# Altium PCB ControllerBoardExp.PcbDoc (part 2 of 4) (continued)
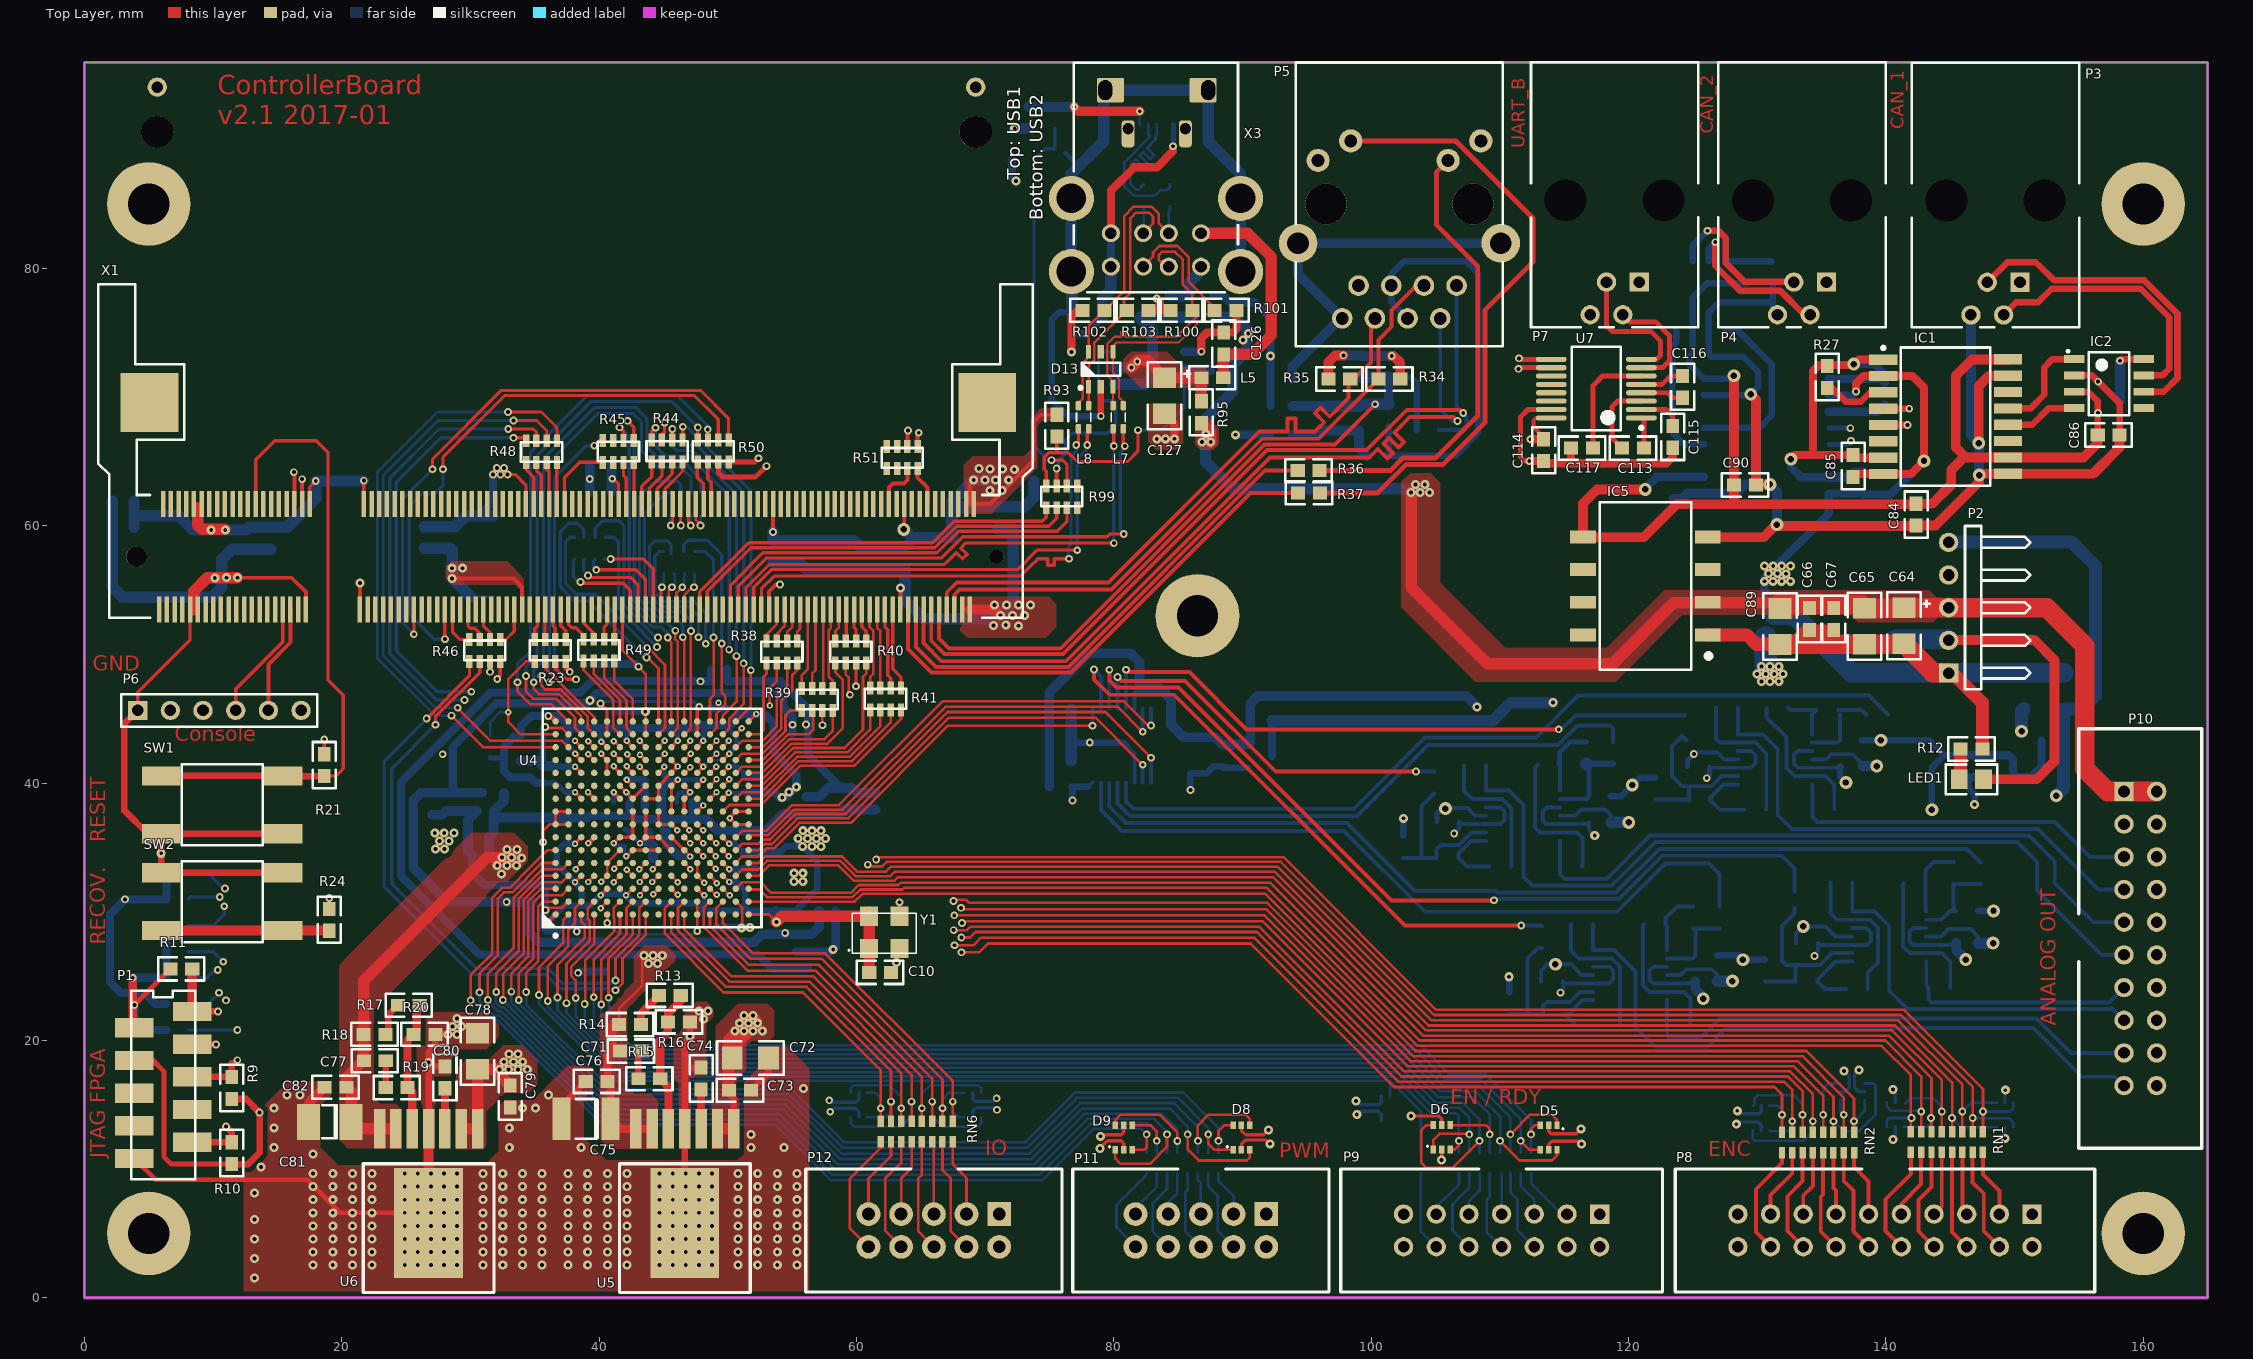
[diagram p0: Top Layer view]
## Nets (pads, with @x,y where several pads share a name; then routed paths per layer and width w, separated by ;. In a path a pad name is that pad's centre, name@x,y a point inside that pad or via, vN(x,y) a via of type N, cw(c..) or ccw(c..) an arc to the next point about the centre after c; other vN are vias at no path point) (continued)
  Bottom Layer w0.305: U1.13@80.943,45.794 v2(80.943,48.802) ; v2(114.579,44.171) 114.771,44.171 115.863,45.263 124.343,45.263 R67.1@124.379,45.298
DRV_AOUT.A3: R56.1 U1.5 | length 44.6
  Bottom Layer w0.305: U1.5@80.293,40.044 80.293,38.401 81.255,37.44 98.901,37.44 104.426,42.964 114.529,42.964 116.041,44.475 118.536,44.475 118.782,44.23 R56.1@118.782,43.184
DRV_AOUT.A4: R66.1 U1.12 | length 30.1
  Top Layer w0.305: v2(80.293,48.234) 80.584,47.942 85.534,47.942 92.583,40.894 v2(103.48,40.894)
  Bottom Layer w0.305: U1.12@80.293,45.794 v2(80.293,48.234) ; v2(103.48,40.894) 104.883,40.894 R66.1@104.893,40.885
DRV_AOUT.A5: R76.1 U1.6 | length 74.2
  Bottom Layer w0.305: U1.6@79.643,40.044 79.643,38.188 80.95,36.881 98.127,36.881 103.41,31.598 109.676,31.598 109.778,31.496 118.999,31.496 122.389,34.886 146.31,34.886 R76.1@147.357,33.839
DRV_AOUT.A6: R86.1 U1.11 | length 67.8
  Top Layer w0.305: v2(79.651,48.8) 79.651,47.984 80.213,47.422 85.039,47.422 101.575,30.886 v2(109.55,30.886)
  Bottom Layer w0.305: U1.11@79.643,45.794 79.643,48.791 v2(79.651,48.8) ; v2(109.55,30.886) 109.641,30.978 119.243,30.978 122.613,34.348 131.914,34.348 132.901,33.362 R86.1@132.901,31.572
DRV_AOUT.A7: R77.1 U1.7 | length 57.9
  Bottom Layer w0.305: U1.7@78.993,40.044 78.993,37.898 80.62,36.271 97.892,36.271 104.165,29.997 119.101,29.997 122.86,33.757 126.236,33.757 127.058,32.935 R77.1@127.058,30.408
DRV_AOUT.A8: R87.1 U1.10 | length 46.8
  Top Layer w0.305: v2(78.46,48.825) 78.46,48.057 79.654,46.863 84.684,46.863 102.616,28.931 v2(111.658,28.931)
  Bottom Layer w0.305: v2(78.46,48.825) 78.993,48.293 U1.10@78.993,45.794 ; v2(111.658,28.931) 113.255,28.931 R87.1@113.291,28.894
DRV_AOUT_H.AOUT_H_A1: P10.5 R55.2 U9.7 | length 28
  Bottom Layer w0.305: U9.7@134.268,39.886 134.282,39.872 R55.2@134.282,37.967 134.282,37.374 134.679,36.977 153.154,36.977 155.866,34.265 P10.5@158.5,34.265
DRV_AOUT_H.AOUT_H_A2: P10.7 R65.2 U9.14 | length 40
  Bottom Layer w0.305: R65.2@128.499,45.84 128.499,43.806 U9.14@128.518,43.786 130.44,43.786 131.593,42.633 131.593,37.526 132.696,36.424 151.83,36.424 156.529,31.725 P10.7@158.5,31.725
DRV_AOUT_H.AOUT_H_A3: P10.9 R54.2 U8.7 | length 51.8
  Bottom Layer w0.305: U8.7@114.674,35.511 114.674,33.505 R54.2@114.677,33.502 114.677,32.901 115.04,32.537 118.303,32.537 121.681,35.916 151.112,35.916 153.122,33.906 153.122,32.187 156.124,29.185 P10.9@158.5,29.185
DRV_AOUT_H.AOUT_H_A4: P10.11 R64.2 U8.14 | length 64.2
  Bottom Layer w0.305: R64.2@108.922,41.364 108.922,39.412 U8.14@108.924,39.411 110.718,39.411 111.85,38.279 111.85,32.704 112.524,32.029 118.694,32.029 122.097,35.432 150.182,35.432 151.733,33.881 151.733,31.657 156.745,26.645 P10.11@158.5,26.645
DRV_AOUT_H.AOUT_H_A5: P10.13 R74.2 U10.7 | length 18.8
  Bottom Layer w0.305: U10.7@143.135,26.129 143.135,24.251 R74.2@143.301,24.086 143.301,23.199 143.568,22.932 157.327,22.932 P10.13@158.5,24.105
DRV_AOUT_H.AOUT_H_A6: P10.15 R84.2 U10.14 | length 29.9
  Bottom Layer w0.305: R84.2@137.389,32.261 137.385,32.257 U10.14@137.385,30.029 139.099,30.029 140.258,28.869 140.258,23.858 141.67,22.446 157.47,22.446 157.544,22.52 P10.15@158.5,21.565
DRV_AOUT_H.AOUT_H_A7: P10.17 R75.2 U11.7 | length 40.1
  Bottom Layer w0.305: U11.7@122.998,23.125 122.998,21.17 R75.2@123.01,21.159 123.01,20.37 123.203,20.177 125.6,20.177 127.114,21.692 151.705,21.692 154.372,19.025 P10.17@158.5,19.025
DRV_AOUT_H.AOUT_H_A8: P10.19 R85.2 U11.14 | length 51.3
  Bottom Layer w0.305: R85.2@117.243,29.005 117.248,29 U11.14@117.248,27.025 118.864,27.025 120.54,25.349 120.54,21.025 122.058,19.507 126.136,19.507 127.584,20.955 151.46,20.955 155.242,17.174 157.811,17.174 P10.19@158.5,16.485
DRV_EXT_CON.ENABLE_DRV: P9.3 RN3.9 | length 4.6
  Bottom Layer w0.203: RN3.9@112.425,9.688 112.425,8.869 114.794,6.5 P9.3@115.214,6.5
DRV_EXT_CON.ENC_A1: P8.3 RN1.16 | length 5.3
  Top Layer w0.305: RN1.16@147.541,11.293 147.541,9.58 148.819,8.302 P8.3@148.819,6.5
DRV_EXT_CON.ENC_A2: P8.5 RN1.14 | length 4.9
  Top Layer w0.305: RN1.14@145.941,11.293 145.941,6.838 P8.5@146.279,6.5
DRV_EXT_CON.ENC_A3: P8.7 RN1.12 | length 5
  Top Layer w0.305: P8.7@143.739,6.5 144.341,7.102 RN1.12@144.341,11.293
DRV_EXT_CON.ENC_A4: P8.9 RN1.10 | length 5.4
  Top Layer w0.305: P8.9@141.199,6.5 141.199,7.293 142.741,8.835 RN1.10@142.741,11.293
DRV_EXT_CON.ENC_A5: P8.11 RN2.16 | length 5.2
  Top Layer w0.305: RN2.16@137.523,11.275 137.523,10.184 138.659,9.048 P8.11@138.659,6.5
DRV_EXT_CON.ENC_A6: P8.13 RN2.14 | length 4.9
  Top Layer w0.305: RN2.14@135.923,11.275 135.923,8.53 136.119,8.334 P8.13@136.119,6.5
DRV_EXT_CON.ENC_A7: P8.15 RN2.12 | length 5.1
  Top Layer w0.305: P8.15@133.579,6.5 133.579,7.95 134.323,8.694 RN2.12@134.323,11.275
DRV_EXT_CON.ENC_A8: P8.17 RN2.10 | length 5.5
  Top Layer w0.305: P8.17@131.039,6.5 131.039,7.976 132.723,9.66 RN2.10@132.723,11.275
DRV_EXT_CON.ENC_B1: P8.4 RN1.15 | length 8.2
  Top Layer w0.305: RN1.15@146.741,11.293 146.741,8.958 147.602,8.097 147.602,5.177 P8.4@148.819,3.96
DRV_EXT_CON.ENC_B2: P8.6 RN1.13 | length 7.8
  Top Layer w0.305: RN1.13@145.141,11.293 145.141,5.098 P8.6@146.279,3.96
DRV_EXT_CON.ENC_B3: P8.8 RN1.11 | length 8.3
  Top Layer w0.305: RN1.11@143.541,11.293 143.541,8.594 142.531,7.584 142.531,5.168 P8.8@143.739,3.96
DRV_EXT_CON.ENC_B4: P8.10 RN1.9 | length 8.7
  Top Layer w0.305: P8.10@141.199,3.96 139.965,5.193 139.965,7.657 141.941,9.633 RN1.9@141.941,11.293
DRV_EXT_CON.ENC_B5: P8.12 RN2.15 | length 8.1
  Top Layer w0.305: RN2.15@136.723,11.275 136.723,9.086 137.481,8.328 137.481,5.138 P8.12@138.659,3.96
DRV_EXT_CON.ENC_B6: P8.14 RN2.13 | length 7.9
  Top Layer w0.305: RN2.13@135.123,11.275 135.123,8.034 134.936,7.848 134.936,5.142 P8.14@136.119,3.96
DRV_EXT_CON.ENC_B7: P8.16 RN2.11 | length 8.3
  Top Layer w0.305: RN2.11@133.523,11.275 133.523,9.062 132.35,7.89 132.35,5.189 P8.16@133.579,3.96
DRV_EXT_CON.ENC_B8: P8.18 RN2.9 | length 8.6
  Top Layer w0.305: P8.18@131.039,3.96 129.889,5.11 129.889,8.432 131.923,10.466 RN2.9@131.923,11.275
DRV_EXT_CON.IO_1: P12.3 RN6.16 | length 6.1
  Top Layer w0.203: RN6.16@67.483,12.113 67.483,10.368 68.555,9.296 P12.3@68.555,6.5
DRV_EXT_CON.IO_2: P12.4 RN6.15 | length 8.9
  Top Layer w0.203: RN6.15@66.683,12.113 66.683,9.924 67.316,9.29 67.316,5.198 P12.4@68.555,3.96
DRV_EXT_CON.IO_3: P12.5 RN6.14 | length 5.7
  Top Layer w0.203: RN6.14@65.883,12.113 66.015,11.981 P12.5@66.015,6.5
DRV_EXT_CON.IO_4: P12.6 RN6.13 | length 8.8
  Top Layer w0.203: RN6.13@65.083,12.113 65.083,9.558 64.789,9.264 64.789,5.186 P12.6@66.015,3.96
DRV_EXT_CON.IO_5: P12.7 RN6.12 | length 5.9
  Top Layer w0.203: P12.7@63.475,6.5 63.475,9.271 64.283,10.079 RN6.12@64.283,12.113
DRV_EXT_CON.IO_6: P12.8 RN6.11 | length 9.2
  Top Layer w0.203: P12.8@63.475,3.96 62.224,5.21 62.224,9.265 63.483,10.524 RN6.11@63.483,12.113
DRV_EXT_CON.IO_7: P12.9 RN6.10 | length 6.3
  Top Layer w0.203: P12.9@60.935,6.5 60.935,9.271 62.683,11.019 RN6.10@62.683,12.113
DRV_EXT_CON.IO_8: P12.10 RN6.9 | length 9.8
  Top Layer w0.203: P12.10@60.935,3.96 59.472,5.423 59.472,9.231 61.883,11.641 RN6.9@61.883,12.113
DRV_EXT_CON.PWM_1: P11.3 RN5.9 | length 3.7
  Bottom Layer w0.203: RN5.9@88.135,9.673 88.135,9.09 89.306,7.919 P11.3@89.306,6.5
DRV_EXT_CON.PWM_2: P11.4 RN5.10 | length 6.5
  Bottom Layer w0.203: RN5.10@87.335,9.673 87.335,8.667 88.087,7.916 88.087,5.18 P11.4@89.306,3.96
DRV_EXT_CON.PWM_3: P11.5 RN5.11 | length 3.3
  Bottom Layer w0.203: RN5.11@86.535,9.673 86.535,9.166 86.766,8.935 P11.5@86.766,6.5
DRV_EXT_CON.PWM_4: P11.6 RN5.12 | length 6.3
  Bottom Layer w0.203: RN5.12@85.735,9.673 85.735,8.372 85.548,8.185 85.548,5.179 P11.6@86.766,3.96
DRV_EXT_CON.PWM_5: P11.7 RN5.13 | length 3.5
  Bottom Layer w0.203: P11.7@84.226,6.5 84.226,7.394 84.935,8.103 RN5.13@84.935,9.673
DRV_EXT_CON.PWM_6: P11.8 RN5.14 | length 6.7
  Bottom Layer w0.203: RN5.14@84.135,9.673 84.135,8.434 83.013,7.311 83.013,5.174 P11.8@84.226,3.96
DRV_EXT_CON.PWM_7: P11.9 RN5.15 | length 3.9
  Bottom Layer w0.203: P11.9@81.686,6.5 81.686,6.961 83.335,8.61 RN5.15@83.335,9.673
DRV_EXT_CON.PWM_8: P11.10 RN5.16 | length 7.3
  Bottom Layer w0.203: P11.10@81.686,3.96 80.204,5.443 80.204,7.225 82.535,9.557 RN5.16@82.535,9.673
DRV_EXT_CON.READY_DRV_1: P9.5 RN3.10 | length 3.6
  Bottom Layer w0.203: RN3.10@111.625,9.688 111.625,8.665 112.674,7.616 P9.5@112.674,6.5
DRV_EXT_CON.READY_DRV_2: P9.6 RN3.11 | length 6.5
  Bottom Layer w0.203: RN3.11@110.825,9.688 110.825,8.188 111.366,7.648 111.366,5.268 P9.6@112.674,3.96
DRV_EXT_CON.READY_DRV_3: P9.7 RN3.12 | length 3.2
  Bottom Layer w0.203: P9.7@110.134,6.5 RN3.12@110.134,9.688
DRV_EXT_CON.READY_DRV_4: P9.8 RN3.13 | length 6.3
  Bottom Layer w0.203: RN3.13@109.225,9.688 109.225,7.853 108.969,7.596 108.969,5.126 P9.8@110.134,3.96
DRV_EXT_CON.READY_DRV_5: P9.9 RN3.14 | length 3.5
  Bottom Layer w0.203: P9.9@107.594,6.5 107.594,7.507 108.425,8.338 RN3.14@108.425,9.688
DRV_EXT_CON.READY_DRV_6: P9.10 RN3.15 | length 6.8
  Bottom Layer w0.203: P9.10@107.594,3.96 106.321,5.234 106.321,7.259 107.625,8.563 RN3.15@107.625,9.688
DRV_EXT_CON.READY_DRV_7: P9.11 RN3.16 | length 3.9
  Bottom Layer w0.203: P9.11@105.054,6.5 105.054,7.049 106.825,8.82 RN3.16@106.825,9.688
DRV_EXT_CON.READY_DRV_8: P9.12 RN4.9 | length 6.2
  Bottom Layer w0.203: RN4.9@103.874,9.669 103.86,9.655 103.86,5.154 P9.12@105.054,3.96
ETH_AGND: C91.1 C92.1 C93.1 C94.1 C95.1 L4.2 X1.191 | length 56.1
  Top Layer w0.305: X1.191@66.414,53.482 66.414,51.232 67.177,50.47 75.874,50.47 91.717,66.313 97.186,66.313 v2(100.307,69.433)
  Bottom Layer w0.762: L4.2@93.87,69.3 C95.1@96.28,69.3 ; C94.1@99.054,69.295 C94.1@99.186,69.427 ; C93.1@101.365,69.427 C91.1@101.365,71.535
  Bottom Layer w0.889: C95.1@96.28,69.3 96.285,69.295 C94.1@99.054,69.295 ; C94.1@99.186,69.427 C93.1@101.365,69.427 ; C92.1@99.206,71.535 C91.1@101.365,71.535
ETH_AVCC: C94.2 C95.2 L3.2 R31.1 | length 7.5
  Bottom Layer w0.762: L3.2@93.87,67.065 95.955,67.065 96.285,67.395 C94.2@99.054,67.395 99.054,66.033 R31.1@99.661,65.425
ETH_CT_RX: C93.2 P5.4 P5.5 R31.2 | length 33.9
  Bottom Layer w0.508: C93.2@101.365,67.727 101.365,65.429 R31.2@101.361,65.425 106.526,65.425 108.314,67.213 108.314,79.584 107.357,80.541 102.552,80.541 101.559,79.548 P5.5@101.559,78.652 101.559,77.382 P5.4@102.829,76.112
ETH_LED_ACT: P5.11 R37.2 | length 49.2
  Top Layer w0.381: R37.2@96.023,62.554 100.501,62.554 102.692,64.745 105.57,64.745 108.832,68.006 108.832,76.751 112.583,80.502 112.583,83.867 106.548,89.902 P5.11@98.409,89.902
ETH_LED_LINK: P5.10 R36.2 | length 35.6
  Top Layer w0.381: R36.2@95.987,64.278 101.489,64.278 102.476,65.265 105.01,65.265 108.284,68.539 108.284,80.158 105.066,83.376 105.066,87.468 P5.10@105.979,88.382
ETH_LINK_ACT: R37.1 X1.183 | length 39.9
  Top Layer w0.305: X1.183@64.014,53.482 64.014,50.406 65.843,48.578 76.658,48.578 90.634,62.554 R37.1@94.323,62.554
ETH_RX1_N: P5.6 R35.1 X1.193 | length 50.1
  Top Layer w0.305: X1.193@67.014,53.482 67.014,54.824 67.791,55.601 79.586,55.601 91.302,67.316 92.558,67.316 93.496,67.316 93.496,68.333 94.105,68.333 94.105,67.316 94.715,67.316 95.324,67.316 95.629,67.316 95.918,67.605 96.349,68.036 95.63,68.755 96.061,69.186 96.78,68.467 97.211,68.898 97.427,69.113 98.222,69.908 98.222,71.247 R35.1@98.374,71.399 98.675,71.399 99.97,72.694 99.97,75.792 P5.6@100.289,76.112
ETH_RX1_P: P5.3 R34.2 X1.195 | length 50.1
  Top Layer w0.305: X1.195@67.614,53.482 67.614,54.634 68.022,55.042 79.818,55.042 91.533,66.757 95.918,66.757 R34.2@100.56,71.399 100.56,74.445 101.573,75.457 101.573,76.709 103.515,78.652 P5.3@104.099,78.652
ETH_SPEED: R36.1 X1.185 | length 39.5
  Top Layer w0.305: X1.185@64.614,53.482 64.614,50.585 66.177,49.022 76.474,49.022 91.73,64.278 R36.1@94.287,64.278
ETH_TX0_N: P5.2 R33.1 X1.187 | length 65.7
  Top Layer w0.305: X1.187@65.214,53.482 65.214,50.87 66.618,49.466 76.29,49.466 92.133,65.309 99.866,65.309 100.082,65.525 100.513,65.956 101.264,65.205 101.695,65.636 100.944,66.387 101.375,66.818 102.126,66.067 102.557,66.498 101.806,67.249 102.994,68.437 106.4,68.437 v2(106.7,68.138)
  Bottom Layer w0.305: P5.2@105.369,76.112 105.369,69.056 106.287,68.138 v2(106.7,68.138)
ETH_TX0_P: P5.1 R32.2 X1.189 | length 65.7
  Top Layer w0.305: X1.189@65.814,53.482 65.814,51.061 66.85,50.025 76.058,50.025 91.901,65.868 99.635,65.868 102.763,68.996 106.91,68.996 v2(107.156,68.75)
  Bottom Layer w0.305: R32.2@105.25,67.421 107.094,67.421 107.406,67.733 107.406,68.431 107.156,68.681 v2(107.156,68.75) 106.639,69.266 P5.1@106.639,78.652
FPGA_CONFIG_SOM.CONF_DONE: R2.1 R46.1C U4.H14 | length 49.7
  Top Layer w0.203: v3(43.155,43.282) 43.133,43.282 43.129,43.278 U4.H14@43.62,42.787
  Top Layer w0.254: v2(31.521,48.641) R46.1C@31.521,49.454
  Mid-Layer 1 w0.254: v2(10.922,31.801) 16.281,31.801 31.514,47.033 31.514,48.633 v2(31.521,48.641)
  Mid-Layer 2 w0.203: v2(31.521,48.641) 32.131,49.251 40.386,49.251 41.783,47.854 41.783,44.577 43.129,43.231 43.155,43.256 v3(43.155,43.282)
  Bottom Layer w0.254: R2.1@8.077,32.995 9.627,32.995 10.82,31.801 v2(10.922,31.801)
FPGA_CONFIG_SOM.DATA0: R46.1B U4.H2 | length 47.9
  Top Layer w0.203: v2(41.275,24.663) 41.275,26.365 43.12,28.21 43.12,30.287 U4.H2@43.62,30.787
  Top Layer w0.254: v2(27.28,44.526) 27.28,45.136 30.721,48.577 R46.1B@30.721,49.454
  Bottom Layer w0.254: v2(27.28,44.526) 23.876,41.123 23.876,32.182 30.465,25.592 35.998,25.592 37.146,24.444 40.999,24.444 41.218,24.663 v2(41.275,24.663)
FPGA_CONFIG_SOM.DCLK: R46.1A U4.H1 | length 48.4
  Top Layer w0.203: v2(41.275,23.901) 41.279,23.901 41.816,24.439 41.816,26.373 43.62,28.177 U4.H1@43.62,29.787
  Top Layer w0.254: v2(26.596,45.009) 29.921,48.334 R46.1A@29.921,49.454
  Bottom Layer w0.254: v2(26.596,45.009) 23.292,41.705 23.292,31.953 30.124,25.121 35.839,25.121 36.945,24.015 41.161,24.015 v2(41.275,23.901)
FPGA_CONFIG_SOM.NCONFIG: R3.1 R45.1D U4.H5 | length 79.3
  Top Layer w0.203: v3(43.129,33.299) 43.132,33.299 U4.H5@43.62,33.787
  Top Layer w0.254: v2(39.624,66.218) 40.03,66.624 R45.1D@40.297,66.624
  Mid-Layer 2 w0.203: v2(10.465,23.698) 13.843,23.698 18.593,28.448 36.195,28.448 37.516,29.769 40.691,29.769 41.597,30.675 41.597,31.605 v3@43.129,33.138 ; v2(36.119,47.828) 36.144,47.828 39.658,44.314 39.658,37.863 43.129,34.392 v3(43.129,33.299)
  Mid-Layer 2 w0.254: v3@43.129,33.138 v3(43.129,33.299)
  Bottom Layer w0.254: R3.1@8.077,22.835 9.627,22.835 v2@10.477,23.685 ; v2@36.081,47.79 36.525,48.235 36.525,63.729 39.014,66.218 v2(39.624,66.218)
FPGA_CONFIG_SOM.NSTATUS: R4.1 R46.1D U4.F4 | length 55.9
  Top Layer w0.203: v3@41.148,32.315 U4.F4@41.62,32.787
  Top Layer w0.254: v2(32.08,48.082) 32.321,48.323 R46.1D@32.321,49.454 ; v3(41.148,32.283) v3@41.148,32.315
  Mid-Layer 1 w0.254: v2(10.516,31.14) 16.178,31.14 27.278,42.24 v2(27.838,42.24)
  Mid-Layer 2 w0.203: v2(32.08,48.082) 31.725,47.727 28.829,47.727 27.864,46.761 27.864,40.056 30.658,37.262 38.379,37.262 40.64,35.001 40.64,32.791 v3(41.148,32.283)
  Bottom Layer w0.254: R4.1@8.077,30.963 8.306,31.191 8.357,31.14 v2(10.516,31.14)
FPGA_EXT.ENABLE_DRV: D5.3 RN3.8 U4.G1 | length 87.9
  Top Layer w0.203: v2(40.742,23.317) 40.734,23.325 40.734,26.352 42.62,28.238 ; 42.62,28.296 42.62,28.238 ; U4.G1@42.62,29.787 42.62,28.238 ; v2(112.417,12.7) 112.417,13.103 112.71,13.396 D5.3@113.142,13.396
  Bottom Layer w0.203: v2(40.742,23.317) 40.742,21.311 42.428,19.625 103.819,19.625 106.045,17.399 108.839,17.399 112.417,13.821 v2(112.417,12.7) RN3.8@112.417,11.288
FPGA_EXT.ENC_A1: D2.3 RN1.1 U4.L8 | length 116.4
  Top Layer w0.203: U4.L8@46.62,36.787 47.016,36.391 v3(47.016,36.329) ; v2@61.529,34.09 61.678,34.239 93.167,34.239 105.029,22.377 141.402,22.377 147.541,16.238 v2(147.541,14.478) RN1.1@147.541,12.893
  Mid-Layer 2 w0.203: v3(47.016,36.329) 47.503,36.816 48.401,36.816 49.073,36.144 50.673,36.144 52.816,34.002 60.309,34.002 60.508,34.2 61.385,34.2 v2(61.529,34.056)
  Bottom Layer w0.203: v2(147.541,14.478) 149.657,14.478 149.9,14.722 D2.3@149.9,15.149
FPGA_EXT.ENC_A2: D2.1 RN1.3 U4.T5 | length 108.8
  Top Layer w0.203: U4.T5@51.62,33.787 52.401,33.787 52.904,34.29 58.882,34.29 60.054,33.117 62.302,33.117 62.687,33.503 92.735,33.503 104.673,21.565 140.945,21.565 145.941,16.568 v2(145.941,14.478) RN1.3@145.941,12.893
  Bottom Layer w0.203: v2(145.941,14.478) 146.611,15.149 D2.1@148.6,15.149
FPGA_EXT.ENC_A3: D1.3 RN1.5 U4.T4 | length 108.3
  Top Layer w0.203: U4.T4@51.62,32.787 52.371,32.787 53.188,33.604 58.598,33.604 59.786,32.416 62.972,32.416 63.246,32.69 92.354,32.69 104.267,20.777 140.487,20.777 144.341,16.924 RN1.5@144.341,12.893
  Bottom Layer w0.203: D1.3@141.493,15.098 141.915,15.519 141.935,15.519 ; 141.645,15.23 141.935,15.519 ; v2(144.348,14.478) 144.348,14.834 143.662,15.519 141.935,15.519
FPGA_EXT.ENC_A4: D1.1 RN1.7 U4.T3 | length 105.8
  Top Layer w0.203: U4.T3@51.62,31.787 51.677,31.73 52.446,31.73 53.046,31.13 59.71,31.13 60.31,31.73 ; 60.858,31.73 60.31,31.73 ; RN1.7@142.741,12.893 142.741,17.203 139.954,19.99 103.759,19.99 91.897,31.852 63.703,31.852 63.581,31.73 60.31,31.73
  Bottom Layer w0.203: D1.1@140.066,15.199 140.066,14.849 140.386,14.529 142.697,14.529 v2(142.748,14.478)
FPGA_EXT.ENC_A5: D4.3 RN2.1 U4.P6 | length 102.2
  Top Layer w0.203: U4.P6@49.62,34.787 50.063,34.344 v3(50.063,34.315) ; v2(67.537,30.84) v2@67.567,30.84 ; v2@67.567,30.844 67.66,30.937 68.478,30.937 68.732,30.683 91.923,30.683 103.429,19.177 133.833,19.177 137.523,15.487 v2(137.523,13.716) RN2.1@137.523,12.875
  Mid-Layer 2 w0.203: v3(50.063,34.315) 50.343,34.315 50.667,33.991 50.667,32.188 51.156,31.699 60.783,31.699 62.286,30.196 65.93,30.196 66.574,30.84 v2(67.537,30.84)
  Bottom Layer w0.203: v2(137.523,13.716) 138.364,14.557 D4.3@138.364,15.352
FPGA_EXT.ENC_A6: D4.1 RN2.3 U4.N3 | length 104.4
  Top Layer w0.203: U4.N3@48.62,31.787 49.089,31.318 v3(49.149,31.318) ; v2(67.597,29.716) 91.722,29.716 103.048,18.39 133.147,18.39 135.923,15.614 v2(135.923,13.716) RN2.3@135.923,12.875
  Mid-Layer 2 w0.203: v3(49.149,31.318) 49.149,31.293 49.784,30.658 50.546,30.658 50.775,30.886 60.625,30.886 62.002,29.51 66.214,29.51 66.42,29.716 v2(67.597,29.716)
  Bottom Layer w0.203: v2(135.923,13.716) 136.685,12.954 137.922,12.954 139.192,14.224 139.192,16.51 139.05,16.652 D4.1@138.364,16.652
FPGA_EXT.ENC_A7: D3.3 RN2.5 U4.N6 | length 107.8
  Top Layer w0.203: U4.N6@48.62,34.787 49.073,34.334 v3(49.073,34.315) ; v2(67.552,28.567) 67.552,28.748 67.727,28.573 68.575,28.573 68.83,28.829 91.338,28.829 102.565,17.602 132.563,17.602 134.323,15.842 v2(134.323,13.716) RN2.5@134.323,12.875
  Mid-Layer 2 w0.203: v3(49.073,34.315) 49.073,34.018 48.871,33.816 48.869,33.816 47.646,32.593 47.646,30.751 48.425,29.972 50.83,29.972 51.002,30.144 60.398,30.144 61.749,28.793 67.327,28.793 v2(67.552,28.567)
  Bottom Layer w0.203: D3.3@129.652,13.02 129.652,12.334 129.794,12.192 133.604,12.192 134.323,12.911 v2(134.323,13.716)
FPGA_EXT.ENC_A8: D3.1 RN2.7 U4.M7 | length 104.8
  Top Layer w0.203: U4.M7@47.62,35.787 48.082,35.325 v3(48.082,35.306) ; v2(67.621,27.394) 69.075,27.394 69.672,27.991 90.881,27.991 102.083,16.789 132.08,16.789 132.723,16.147 v2(132.723,13.716) RN2.7@132.723,12.875
  Mid-Layer 2 w0.203: v3(48.082,35.306) 47.557,34.781 46.733,34.781 46.518,34.567 46.518,33.178 46.888,32.808 46.899,32.808 46.961,32.747 46.961,30.467 49.622,27.805 55.313,27.805 55.546,28.038 66.61,28.038 67.253,27.394 v2(67.621,27.394)
  Bottom Layer w0.203: D3.1@130.952,13.02 131.018,12.954 132.334,12.954 132.723,13.343 v2(132.723,13.716)
FPGA_EXT.ENC_B1: D2.4 RN1.2 U4.M8 | length 115.3
  Top Layer w0.203: U4.M8@47.62,36.787 48.082,36.325 v3(48.083,36.325) ; v2(60.88,33.659) 61.02,33.799 61.02,33.518 61.024,33.514 61.988,33.514 62.357,33.884 92.964,33.884 104.877,21.971 141.173,21.971 146.741,16.403 v2(146.741,13.97) RN1.2@146.741,12.893
  Mid-Layer 2 w0.203: v3(48.083,36.325) 48.607,35.801 50.531,35.801 52.674,33.659 53.393,33.659 v2(60.88,33.659)
  Bottom Layer w0.203: v2(146.741,13.97) 146.774,13.937 149.563,13.937 149.9,13.599 D2.4@149.9,13.249
FPGA_EXT.ENC_B2: D2.6 RN1.4 U4.R4 | length 110
  Top Layer w0.203: U4.R4@50.62,32.787 51.111,33.278 52.377,33.278 53.046,33.947 58.74,33.947 59.928,32.758 62.629,32.758 62.967,33.096 92.507,33.096 104.445,21.158 140.716,21.158 145.141,16.733 v2(145.141,13.97) RN1.4@145.141,12.893
  Bottom Layer w0.203: v2(145.141,13.97) 145.862,13.249 D2.6@148.6,13.249
FPGA_EXT.ENC_B3: D1.4 RN1.6 U4.R3 | length 106.9
  Top Layer w0.203: U4.R3@50.62,31.787 51.111,32.278 52.57,32.278 53.375,31.473 59.568,31.473 60.168,32.073 63.264,32.073 63.449,32.258 92.151,32.258 104.038,20.371 140.233,20.371 143.541,17.063 RN1.6@143.541,12.893
  Bottom Layer w0.203: D1.4@141.366,13.299 143.22,13.299 143.51,13.589 v2(143.51,13.97)
FPGA_EXT.ENC_B4: D1.6 RN1.8 U4.T2 | length 103.3
  Top Layer w0.203: U4.T2@51.62,30.787 59.852,30.787 60.452,31.387 91.778,31.387 103.581,19.583 139.675,19.583 141.941,17.317 RN1.8@141.941,12.893
  Bottom Layer w0.203: D1.6@140.066,13.299 140.066,13.777 140.259,13.97 v2(141.986,13.97)
FPGA_EXT.ENC_B5: D4.4 RN2.2 U4.P3 | length 98.1
  Top Layer w0.203: U4.P3@49.62,31.787 v3(50.14,31.267) ; v2(68.122,30.303) 68.224,30.201 91.828,30.201 103.258,18.771 133.502,18.771 136.723,15.55 v2(136.723,14.224) RN2.2@136.723,12.875
  Mid-Layer 2 w0.203: v3(50.14,31.267) 60.729,31.267 62.144,29.853 66.072,29.853 66.518,30.299 68.118,30.299 v2(68.122,30.303)
  Bottom Layer w0.203: D4.4@136.464,15.352 136.464,14.483 v2(136.723,14.224)
FPGA_EXT.ENC_B6: D4.6 RN2.4 U4.N5 | length 102.8
  Top Layer w0.203: U4.N5@48.62,33.787 49.073,33.334 v3(49.073,33.325) ; v2(68.205,29.126) 68.326,29.126 68.462,29.261 91.567,29.261 102.845,17.983 132.842,17.983 135.123,15.703 v2(135.123,14.224) RN2.4@135.123,12.875
  Mid-Layer 2 w0.203: v3(49.073,33.325) 48.65,32.902 48.65,30.724 49.059,30.315 50.688,30.315 50.879,30.505 60.522,30.505 61.891,29.136 68.194,29.136 v2(68.205,29.126)
  Bottom Layer w0.203: v2(135.123,14.224) 135.123,16.251 135.524,16.652 D4.6@136.464,16.652
FPGA_EXT.ENC_B7: D3.4 RN2.6 U4.M6 | length 106.2
  Top Layer w0.203: U4.M6@47.62,34.787 48.082,34.325 v3(48.082,34.315) ; v2(68.148,27.996) 68.84,27.996 69.266,28.423 91.11,28.423 102.337,17.196 132.385,17.196 133.523,16.058 v2(133.523,14.224) RN2.6@133.523,12.875
  Mid-Layer 2 w0.203: v3(48.082,34.315) 48.082,33.514 47.303,32.735 47.303,30.609 48.283,29.629 50.972,29.629 51.144,29.801 60.256,29.801 61.607,28.45 66.904,28.45 67.358,27.996 v2(68.148,27.996)
  Bottom Layer w0.203: D3.4@129.652,14.92 129.787,15.055 129.787,15.487 130.048,15.748 132.842,15.748 133.523,15.067 v2(133.523,14.224)
FPGA_EXT.ENC_B8: D3.6 RN2.8 U4.L7 | length 103
  Top Layer w0.203: U4.L7@46.62,35.787 47.066,35.341 v3(47.066,35.306) ; v2(68.155,26.842) 69.54,26.842 70.231,27.534 90.627,27.534 101.778,16.383 131.343,16.383 131.923,15.804 v2(131.923,14.224) RN2.8@131.923,12.875
  Mid-Layer 2 w0.203: v3(47.066,35.306) 46.558,35.306 46.152,34.9 46.152,33.059 46.618,32.594 46.618,30.325 49.48,27.462 55.455,27.462 55.688,27.695 66.468,27.695 67.31,26.853 v2@68.155,26.853
  Bottom Layer w0.203: D3.6@130.952,14.92 131.638,14.92 131.923,14.635 v2(131.923,14.224)
FPGA_EXT.IO_1: D11.3 RN6.1 U4.P1 | length 28.6
  Top Layer w0.203: U4.P1@49.62,29.787 49.62,29.12 51.968,26.772 57.556,26.772 67.483,16.845 v2(67.483,15.24) RN6.1@67.483,13.713
  Bottom Layer w0.203: v2(67.483,15.24) 67.483,14.432 67.879,14.036 D11.3@68.387,14.036
FPGA_EXT.IO_2: D11.4 RN6.2 U4.P2 | length 30.4
  Top Layer w0.203: U4.P2@49.62,30.787 49.111,30.278 49.111,29 51.772,26.34 57.302,26.34 66.683,16.96 v2(66.683,14.732) RN6.2@66.683,13.713
  Bottom Layer w0.203: v2(66.683,14.732) 66.683,15.425 67.193,15.936 D11.4@68.387,15.936
FPGA_EXT.IO_3: D11.1 RN6.3 U4.N1 | length 32.3
  Top Layer w0.203: U4.N1@48.62,29.787 48.62,28.876 51.613,25.883 57.048,25.883 65.883,17.048 v2(65.883,15.24) RN6.3@65.883,13.713
  Bottom Layer w0.203: v2(65.883,15.24) 65.883,14.127 66.726,13.284 69.444,13.284 69.687,13.528 D11.1@69.687,14.036
FPGA_EXT.IO_4: D11.6 RN6.4 U4.N2 | length 33.9
  Top Layer w0.203: U4.N2@48.62,30.787 48.122,30.29 48.122,28.84 51.537,25.425 56.82,25.425 65.083,17.163 v2(65.083,14.732) RN6.4@65.083,13.713
  Bottom Layer w0.203: v2(65.083,14.732) 65.083,15.883 65.709,16.509 69.495,16.509 69.687,16.317 D11.6@69.687,15.936
FPGA_EXT.IO_5: D10.3 RN6.5 U4.L1 | length 33.9
  Top Layer w0.203: U4.L1@46.62,29.787 46.62,28.636 50.262,24.994 56.608,24.994 64.283,17.319 v2(64.283,15.24) RN6.5@64.283,13.713
  Bottom Layer w0.203: D10.3@59.548,14.036 59.548,13.579 59.842,13.284 63.449,13.284 64.283,14.118 v2(64.283,15.24)
FPGA_EXT.IO_6: D10.4 RN6.6 U4.L2 | length 33.8
  Top Layer w0.203: U4.L2@46.62,30.787 46.129,30.296 46.129,28.547 50.114,24.562 56.363,24.562 63.483,17.442 v2(63.483,14.732) RN6.6@63.483,13.713
  Bottom Layer w0.203: D10.4@59.548,15.936 59.548,16.292 59.765,16.509 62.586,16.509 63.483,15.613 v2(63.483,14.732)
FPGA_EXT.IO_7: D10.1 RN6.7 U4.K1 | length 29.6
  Top Layer w0.203: U4.K1@45.62,29.787 45.62,28.396 49.86,24.155 56.134,24.155 62.683,17.607 v2(62.683,15.24) RN6.7@62.683,13.713
  Bottom Layer w0.203: D10.1@60.848,14.036 62.296,14.036 62.683,14.423 v2(62.683,15.24)
FPGA_EXT.IO_8: D10.6 RN6.8 U4.K2 | length 29.8
  Top Layer w0.203: U4.K2@45.62,30.787 45.114,30.282 45.114,28.292 49.682,23.724 55.855,23.724 61.883,17.696 v2(61.883,14.732) RN6.8@61.883,13.713
  Bottom Layer w0.203: D10.6@60.848,15.936 61.458,15.936 61.883,15.511 v2(61.883,14.732)
FPGA_EXT.PWM_1: D8.6 RN5.8 U4.A2 | length 74.5
  Top Layer w0.203: v2(34.332,23.767) 34.332,25.239 35.281,26.187 35.281,30.433 35.634,30.787 U4.A2@36.62,30.787 ; v2(88.135,12.192) 88.135,12.951 88.58,13.396 D8.6@89.266,13.396
  Bottom Layer w0.203: v2(34.332,23.767) 34.332,22.795 40.922,16.205 54.915,16.205 59.03,12.09 73.127,12.09 76.987,15.951 85.395,15.951 88.135,13.211 v2(88.135,12.192) RN5.8@88.135,11.273
FPGA_EXT.PWM_2: D8.1 RN5.7 U4.B3 | length 77
  Top Layer w0.203: v2(33.751,23.14) 33.751,25.217 34.874,26.34 34.874,30.663 35.494,31.283 37.115,31.283 U4.B3@37.62,31.787 ; v2(87.335,12.7) 87.335,11.979 87.818,11.496 D8.1@89.266,11.496
  Bottom Layer w0.203: v2(33.751,23.14) 33.751,22.891 40.818,15.824 54.737,15.824 58.903,11.659 73.304,11.659 77.191,15.545 84.995,15.545 87.335,13.205 v2(87.335,12.7) RN5.7@87.335,11.273
FPGA_EXT.PWM_3: D8.4 RN5.6 U4.A3 | length 79.8
  Top Layer w0.203: v2(33.182,23.787) 33.182,25.213 34.493,26.524 34.493,30.777 35.504,31.787 U4.A3@36.62,31.787 ; v2(86.535,12.192) 86.535,13.383 87.376,14.224 90.246,14.224 90.566,13.904 D8.4@90.566,13.396
  Bottom Layer w0.203: v2(33.182,23.787) 33.182,22.954 33.21,22.926 33.21,22.916 33.527,22.599 33.536,22.599 40.705,15.43 54.623,15.43 58.852,11.201 73.457,11.201 77.394,15.138 84.684,15.138 86.535,13.287 v2(86.535,12.192) RN5.6@86.535,11.273
FPGA_EXT.PWM_4: D8.3 RN5.5 U4.B4 | length 82.3
  Top Layer w0.203: v2(32.518,23.133) 32.547,23.162 32.547,25.155 34.138,26.746 34.138,30.906 35.524,32.293 37.125,32.293 U4.B4@37.62,32.787 ; v2(85.735,12.7) 85.735,11.547 86.614,10.668 90.322,10.668 90.566,10.912 D8.3@90.566,11.496
  Bottom Layer w0.203: v2(32.518,23.133) 32.867,22.784 32.867,22.774 33.385,22.256 33.394,22.256 40.614,15.037 54.458,15.037 58.725,10.77 73.584,10.77 77.508,14.694 84.366,14.694 85.735,13.325 v2(85.735,12.7) RN5.5@85.735,11.273